# Altium PCB NURIP.PcbDoc (part 14 of 14) (continued)
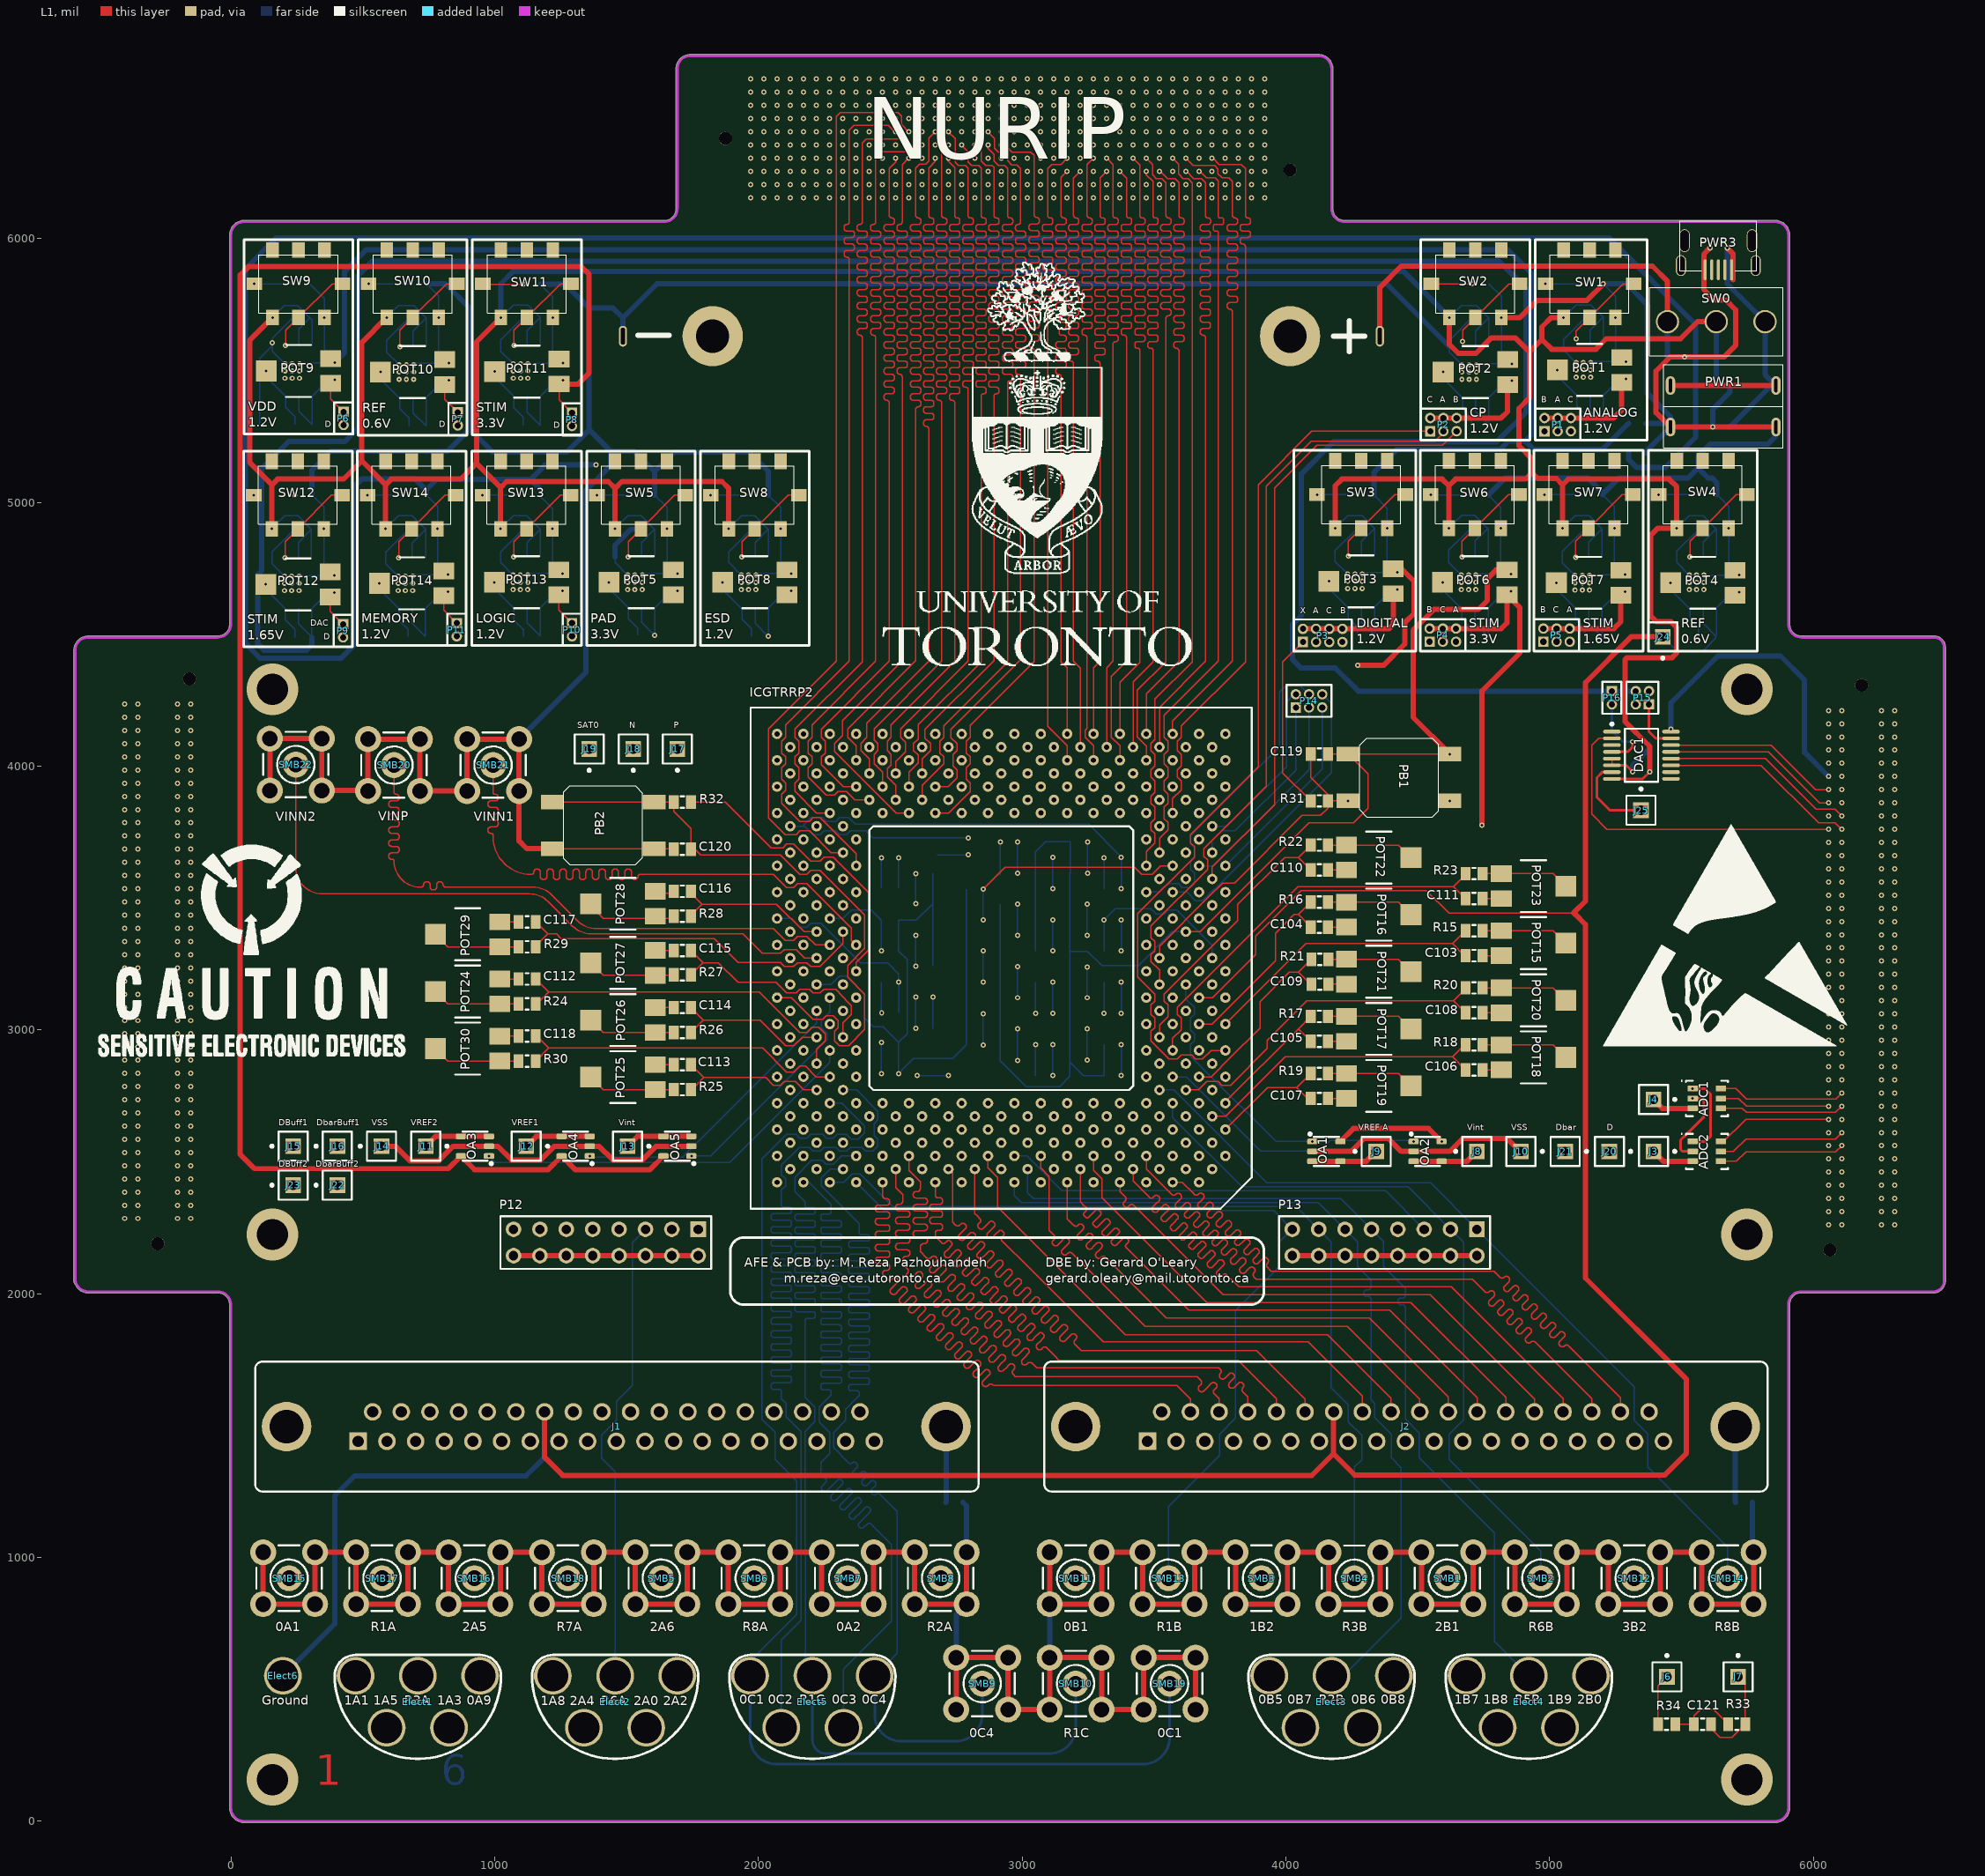
[diagram p0: L1 view]
## Nets (pads, with @x,y where several pads share a name; then routed paths per layer and width w, separated by ;. In a path a pad name is that pad's centre, name@x,y a point inside that pad or via, vN(x,y) a via of type N, cw(c..) or ccw(c..) an arc to the next point about the centre after c; other vN are vias at no path point) (continued)
  L6 w20: R12.1@307.09,5027.56 307.09,5122.05 379.92,5194.88 740.16,5194.88 ; SMB15.2@318.9,1019.68 SMB15.2@324.49,1019.68 ; 742.13,5192.91 740.16,5194.88 ; R10.1@742.13,5828.74 812.99,5828.74 905.51,5736.22 905.51,5277.56 ; SMB21.2@1092.52,4102.36 1346.46,4356.3 1346.46,5045.28 1438.98,5137.8 1438.98,5194.88 ; R11.1@1173.23,5826.77 1267.72,5826.77 1358.27,5736.22 ; LDO5.5@1456.5,4793.31 1456.5,4838.39 1515.75,4897.64 C17.2@1541.34,4897.64 ; BAT1.2@1486.22,5629.92 1486.22,5698.82 ; R5.1@1606.3,5027.56 1606.3,5116.14 ; R8.1@2037.4,5027.56 2037.4,5118.11 1964.57,5190.94 1681.1,5190.94 1606.3,5116.14 ; SMB9.2@2750,620.08 2750,783.46 SMB8.2@2789.37,822.83 ; R36.2@2775.59,1208.66 2789.37,1194.88 SMB8.2@2789.37,1019.68 ; SMB10.2@3104.33,620.08 SMB11.2@3104.33,822.83 ; LDO2.5@4619.88,5590.55 4381.69,5828.74 1616.14,5828.74 1486.22,5698.82 ; R6.1@4767.72,5027.56 4831.69,5091.54 5146.39,5091.54 5200.79,5037.14 R7.1@5200.79,5029.53 5263.78,5092.52 5525.59,5092.52 5562.99,5129.92 ; v1(5202.76,5828.74) 5291.34,5828.74 5370.08,5750 5370.08,5413.39 5458.27,5325.2 PWR1.2@5458.27,5285.43 ; v1(5314.96,3978.35) 5314.96,4001.97 5379.92,4066.93 ; FB1.1@5364.17,5187.01 5364.17,5191.34 PWR1.2@5458.27,5285.43 ; FB2.1@5364.17,5299.21 5444.49,5299.21 PWR1.2@5458.27,5285.43 ; v1(5618.11,5285.43) 5618.11,5352.36 5683.07,5417.32 C4.2@5683.07,5442.91 ; R4.1@5633.86,5029.53 5633.86,5074.8 5616.14,5092.52 5600.39,5092.52 5562.99,5129.92 ; R35.2@5769.68,1208.66 5769.68,1023.62 SMB14.2@5773.62,1019.68 ; PWR1.2@5858.27,5285.43 5858.27,5251.97 5826.77,5220.47 5608.27,5220.47 5562.99,5175.2 5562.99,5129.92 ; 740.16,5194.88 822.83,5194.88 905.51,5277.56 ; 905.51,5277.56 992.13,5190.94 1273.62,5190.94 1358.27,5275.59 ; 1358.27,5275.59 1358.27,5736.22 ; 1358.27,5275.59 1438.98,5194.88 ; 1358.27,5736.22 1448.82,5736.22 1486.22,5698.82 ; 1438.98,5194.88 1527.56,5194.88 1606.3,5116.14
  other v2: 202.76,4665.35 230.32,4665.35 257.87,4665.35 5096.46,4667.32 5124.02,4667.32 5151.57,4667.32 1503.94,4669.29 1531.5,4669.29 1559.06,4669.29 1935.04,4669.29 1962.6,4669.29 1990.16,4669.29 4665.35,4669.29 4692.91,4669.29 4720.47,4669.29 5529.72,4669.29 5557.28,4669.29 5584.84,4669.29 202.76,4692.91 230.32,4692.91 257.87,4692.91 5096.46,4694.88 5124.02,4694.88 5151.57,4694.88 1503.94,4696.85 1531.5,4696.85 1559.06,4696.85 1935.04,4696.85 1962.6,4696.85 1990.16,4696.85 4665.35,4696.85 4692.91,4696.85 4720.47,4696.85 5529.72,4696.85 5557.28,4696.85 5584.84,4696.85 230.32,4720.47 5124.02,4722.44 1531.5,4724.41 1962.6,4724.41 4692.91,4724.41 5557.28,4724.41 637.8,5466.54 665.35,5466.54 692.91,5466.54 4667.32,5466.54 4694.88,5466.54 4722.44,5466.54 1070.67,5470.47 1098.23,5470.47 1125.79,5470.47 5100.39,5474.41 5127.95,5474.41 5155.51,5474.41 637.8,5494.09 665.35,5494.09 692.91,5494.09 4667.32,5494.09 4694.88,5494.09 4722.44,5494.09 1070.67,5498.03 1098.23,5498.03 1125.79,5498.03 5100.39,5501.97 5127.95,5501.97 5155.51,5501.97 665.35,5521.65 4694.88,5521.65 1098.23,5525.59 5127.95,5529.53
pads on no net: BAT1. DAC1.1 DAC1.3 DAC1.9 DAC1.10 FMC1. FMC1.A1 FMC1.A2 FMC1.A3 FMC1.A4 FMC1.A5 FMC1.A6 FMC1.A7 FMC1.A8 FMC1.A9 FMC1.A10 FMC1.A11 FMC1.A12 FMC1.A13 FMC1.A14 FMC1.A15 FMC1.A16 FMC1.A17 FMC1.A18 FMC1.A19 FMC1.A20 FMC1.A21 FMC1.A22 FMC1.A23 FMC1.A24 FMC1.A25 FMC1.A26 FMC1.A27 FMC1.A28 FMC1.A29 FMC1.A30 FMC1.A31 FMC1.A32 FMC1.A33 FMC1.A34 FMC1.A35 FMC1.A36 FMC1.A37 FMC1.A38 FMC1.A39 FMC1.A40 FMC1.B1 FMC1.B2 FMC1.B3 FMC1.B4 FMC1.B5 FMC1.B6 FMC1.B7 FMC1.B8 FMC1.B9 FMC1.B10 FMC1.B11 FMC1.B12 FMC1.B13 FMC1.B14 FMC1.B15 FMC1.B16 FMC1.B17 FMC1.B18 FMC1.B19 FMC1.B20 FMC1.B21 FMC1.B22 FMC1.B23 FMC1.B24 FMC1.B25 FMC1.B26 FMC1.B27 FMC1.B28 FMC1.B29 FMC1.B30 FMC1.B31 FMC1.B32 FMC1.B33 FMC1.B34 FMC1.B35 FMC1.B36 FMC1.B37 FMC1.B38 FMC1.B39 FMC1.B40 FMC1.C2 FMC1.C3 FMC1.C4 FMC1.C5 FMC1.C6 FMC1.C7 FMC1.C8 FMC1.C9 FMC1.C16 FMC1.C17 FMC1.C25 FMC1.C29 FMC1.C30 FMC1.C31 FMC1.C32 FMC1.C33 FMC1.C34 FMC1.C35 FMC1.C36 FMC1.C37 FMC1.C38 FMC1.C39 FMC1.C40 FMC1.D1 FMC1.D2 FMC1.D3 FMC1.D4 FMC1.D5 FMC1.D6 FMC1.D16 FMC1.D25 FMC1.D28 FMC1.D29 FMC1.D30 FMC1.D31 FMC1.D32 FMC1.D33 FMC1.D34 FMC1.D35 FMC1.D36 FMC1.D37 FMC1.D38 FMC1.D39 FMC1.D40 FMC1.E20 FMC1.E21 FMC1.E22 FMC1.E23 FMC1.E24 FMC1.E25 FMC1.E26 FMC1.E27 FMC1.E28 FMC1.E29 FMC1.E30 FMC1.E31 FMC1.E32 FMC1.E33 FMC1.E34 FMC1.E35 FMC1.E36 FMC1.E37 FMC1.E38 FMC1.E39 FMC1.E40 FMC1.F1 FMC1.F2 FMC1.F3 FMC1.F12 FMC1.F21 FMC1.F22 FMC1.F23 FMC1.F24 FMC1.F25 FMC1.F26 FMC1.F27 FMC1.F28 FMC1.F29 FMC1.F30 FMC1.F31 FMC1.F32 FMC1.F33 FMC1.F34 FMC1.F35 FMC1.F36 FMC1.F37 FMC1.F38 FMC1.F39 FMC1.F40 FMC1.G1 FMC1.G2 FMC1.G3 FMC1.G4 FMC1.G14 FMC1.G20 FMC1.G23 FMC1.G26 FMC1.G29 FMC1.G35 FMC1.G37 FMC1.G38 FMC1.G39 FMC1.G40 FMC1.H1 FMC1.H2 FMC1.H3 FMC1.H4 FMC1.H5 FMC1.H15 FMC1.H27 FMC1.H37 FMC1.H38 FMC1.H39 FMC1.H40 FMC1.J1 FMC1.J2 FMC1.J3 FMC1.J4 FMC1.J5 FMC1.J23 FMC1.J24 FMC1.J25 FMC1.J26 FMC1.J27 FMC1.J28 FMC1.J29 FMC1.J30 FMC1.J31 FMC1.J32 FMC1.J33 FMC1.J34 FMC1.J35 FMC1.J36 FMC1.J37 FMC1.J38 FMC1.J39 FMC1.J40 FMC1.K1 FMC1.K2 FMC1.K3 FMC1.K4 FMC1.K5 FMC1.K25 FMC1.K26 FMC1.K27 FMC1.K28 FMC1.K29 FMC1.K30 FMC1.K31 FMC1.K32 FMC1.K33 FMC1.K34 FMC1.K35 FMC1.K36 FMC1.K37 FMC1.K38 FMC1.K39 FMC1.K40 FMC2. FMC2.C1 FMC2.C2 FMC2.C3 FMC2.C4 FMC2.C5 FMC2.C6 FMC2.C7 FMC2.C8 FMC2.C9 FMC2.C10 FMC2.C11 FMC2.C12 FMC2.C13 FMC2.C14 FMC2.C15 FMC2.C16 FMC2.C17 FMC2.C18 FMC2.C19 FMC2.C20 FMC2.C21 FMC2.C22 FMC2.C23 FMC2.C24 FMC2.C25 FMC2.C26 FMC2.C27 FMC2.C28 FMC2.C29 FMC2.C30 FMC2.C31 FMC2.C32 FMC2.C33 FMC2.C34 FMC2.C35 FMC2.C36 FMC2.C37 FMC2.C38 FMC2.C39 FMC2.C40 FMC2.D1 FMC2.D2 FMC2.D3 FMC2.D4 FMC2.D5 FMC2.D6 FMC2.D7 FMC2.D8 FMC2.D9 FMC2.D10 FMC2.D11 FMC2.D12 FMC2.D13 FMC2.D14 FMC2.D15 FMC2.D16 FMC2.D17 FMC2.D18 FMC2.D19 FMC2.D20 FMC2.D21 FMC2.D22 FMC2.D23 FMC2.D24 FMC2.D25 FMC2.D26 FMC2.D27 FMC2.D28 FMC2.D29 FMC2.D30 FMC2.D31 FMC2.D32 FMC2.D33 FMC2.D34 FMC2.D35 FMC2.D36 FMC2.D37 FMC2.D38 FMC2.D39 FMC2.D40 FMC2.G1 FMC2.G2 FMC2.G3 FMC2.G4 FMC2.G5 FMC2.G6 FMC2.G7 FMC2.G36 FMC2.G37 FMC2.G38 FMC2.G39 FMC2.G40 FMC2.H1 FMC2.H2 FMC2.H3 FMC2.H4 FMC2.H5 FMC2.H34 FMC2.H35 FMC2.H36 FMC2.H37 FMC2.H38 FMC2.H39 FMC2.H40 FMC3. FMC3.C1 FMC3.C2 FMC3.C3 FMC3.C4 FMC3.C5 FMC3.C6 FMC3.C7 FMC3.C8 FMC3.C9 FMC3.C10 FMC3.C11 FMC3.C12 FMC3.C13 FMC3.C14 FMC3.C15 FMC3.C16 FMC3.C17 FMC3.C18 FMC3.C19 FMC3.C20 FMC3.C21 FMC3.C22 FMC3.C23 FMC3.C24 FMC3.C25 FMC3.C26 FMC3.C27 FMC3.C28 FMC3.C29 FMC3.C30 FMC3.C31 FMC3.C32 FMC3.C33 FMC3.C34 FMC3.C35 FMC3.C36 FMC3.C37 FMC3.C38 FMC3.C39 FMC3.C40 FMC3.D1 FMC3.D2 FMC3.D3 FMC3.D4 FMC3.D5 FMC3.D6 FMC3.D7 FMC3.D8 FMC3.D9 FMC3.D10 FMC3.D11 FMC3.D12 FMC3.D13 FMC3.D14 FMC3.D15 FMC3.D16 FMC3.D17 FMC3.D18 FMC3.D19 FMC3.D20 FMC3.D21 FMC3.D22 FMC3.D23 FMC3.D24 FMC3.D25 FMC3.D26 FMC3.D27 FMC3.D28 FMC3.D29 FMC3.D30 FMC3.D31 FMC3.D32 FMC3.D33 FMC3.D34 FMC3.D35 FMC3.D36 FMC3.D37 FMC3.D38 FMC3.D39 FMC3.D40 FMC3.G1 FMC3.G2 FMC3.G3 FMC3.G4 FMC3.G5 FMC3.G6 FMC3.G7 FMC3.G8 FMC3.G9 FMC3.G10 FMC3.G29 FMC3.G31 FMC3.G33 FMC3.G34 FMC3.G35 FMC3.G36 FMC3.G37 FMC3.G38 FMC3.G39 FMC3.G40 FMC3.H1 FMC3.H2 FMC3.H3 FMC3.H4 FMC3.H5 FMC3.H6 FMC3.H7 FMC3.H8 FMC3.H31 FMC3.H32 FMC3.H33 FMC3.H34 FMC3.H35 FMC3.H36 FMC3.H37 FMC3.H38 FMC3.H39 FMC3.H40 ICGTRRP2.A35 ICGTRRP2.AG7 ICGTRRP2.AG29 ICGTRRP2.AH6 ICGTRRP2.AH30 ICGTRRP2.AJ3 ICGTRRP2.AJ7 ICGTRRP2.AJ9 ICGTRRP2.AJ27 ICGTRRP2.AJ29 ICGTRRP2.AJ33 ICGTRRP2.AK2 ICGTRRP2.AK4 ICGTRRP2.AK6 ICGTRRP2.AK30 ICGTRRP2.AK32 ICGTRRP2.AK34 ICGTRRP2.AL3 ICGTRRP2.AL5 ICGTRRP2.AL31 ICGTRRP2.AL33 ICGTRRP2.AM2 ICGTRRP2.AM4 ICGTRRP2.AM6 ICGTRRP2.AM30 ICGTRRP2.AM32 ICGTRRP2.AM34 ICGTRRP2.AN1 ICGTRRP2.AN3 ICGTRRP2.AN5 ICGTRRP2.AN31 ICGTRRP2.AN33 ICGTRRP2.AN35 ICGTRRP2.AP2 ICGTRRP2.AP4 ICGTRRP2.AP32 ICGTRRP2.AP34 ICGTRRP2.AR1 ICGTRRP2.AR3 ICGTRRP2.AR33 ICGTRRP2.AR35 ICGTRRP2.B2 ICGTRRP2.B4 ICGTRRP2.B32 ICGTRRP2.B34 ICGTRRP2.C1 ICGTRRP2.C3 ICGTRRP2.C5 ICGTRRP2.C31 ICGTRRP2.C33 ICGTRRP2.C35 ICGTRRP2.D2 ICGTRRP2.D4 ICGTRRP2.D6 ICGTRRP2.D30 ICGTRRP2.D32 ICGTRRP2.D34 ICGTRRP2.E3 ICGTRRP2.E5 ICGTRRP2.E31 ICGTRRP2.E33 ICGTRRP2.F4 ICGTRRP2.F6 ICGTRRP2.F30 ICGTRRP2.F32 ICGTRRP2.G3 ICGTRRP2.G7 ICGTRRP2.G9 ICGTRRP2.G27 ICGTRRP2.G29 ICGTRRP2.G33 ICGTRRP2.J7 ICGTRRP2.J29 J1. J1.1 J1.20 J1.37 J2. J2.1 J2.20 J2.37 LDO1.4 LDO2.4 LDO3.4 LDO4.4 LDO5.4 LDO6.4 LDO7.4 LDO8.4 LDO9.4 LDO10.4 LDO11.4 LDO12.4 LDO13.4 LDO14.4 PWR3. PWR3.2 PWR3.3 PWR3.4 SW1.4 SW1.5 SW1.6 SW2.4 SW2.5 SW2.6 SW3.4 SW3.5 SW3.6 SW4.4 SW4.5 SW4.6 SW5.4 SW5.5 SW5.6 SW6.4 SW6.5 SW6.6 SW7.4 SW7.5 SW7.6 SW8.4 SW8.5 SW8.6 SW9.4 SW9.5 SW9.6 SW10.4 SW10.5 SW10.6 SW11.4 SW11.5 SW11.6 SW12.4 SW12.5 SW12.6 SW13.4 SW13.5 SW13.6 SW14.4 SW14.5 SW14.6
copper on no net:
  other v1: 6058.07,2260.87 6108.07,2260.87 6258.07,2260.87 6308.07,2260.87 -402.56,2285.2 -352.56,2285.2 -202.56,2285.2 -152.56,2285.2 6058.07,2310.87 6108.07,2310.87 6258.07,2310.87 6308.07,2310.87 -402.56,2335.2 -352.56,2335.2 -202.56,2335.2 -152.56,2335.2 6058.07,2360.87 6108.07,2360.87 6258.07,2360.87 6308.07,2360.87 -402.56,2385.2 -352.56,2385.2 -202.56,2385.2 -152.56,2385.2 6058.07,2410.87 6108.07,2410.87 6258.07,2410.87 6308.07,2410.87 -402.56,2435.2 -352.56,2435.2 -202.56,2435.2 -152.56,2435.2 6058.07,2460.87 6108.07,2460.87 6258.07,2460.87 6308.07,2460.87 -402.56,2485.2 -352.56,2485.2 -202.56,2485.2 -152.56,2485.2 6058.07,2510.87 6258.07,2510.87 6308.07,2510.87 -402.56,2535.2 -352.56,2535.2 -202.56,2535.2 -152.56,2535.2 6058.07,2560.87 6258.07,2560.87 6308.07,2560.87 -402.56,2585.2 -352.56,2585.2 -202.56,2585.2 -152.56,2585.2 6258.07,2610.87 6308.07,2610.87 -402.56,2635.2 -352.56,2635.2 -202.56,2635.2 -152.56,2635.2 6258.07,2660.87 6308.07,2660.87 -402.56,2685.2 -352.56,2685.2 -202.56,2685.2 6258.07,2710.87 6308.07,2710.87 -402.56,2735.2 -352.56,2735.2 -202.56,2735.2 6258.07,2760.87 6308.07,2760.87 -402.56,2785.2 -352.56,2785.2 6258.07,2810.87 6308.07,2810.87 -402.56,2835.2 -352.56,2835.2 6258.07,2860.87 6308.07,2860.87 -402.56,2885.2 -352.56,2885.2 6258.07,2910.87 6308.07,2910.87 -402.56,2935.2 -352.56,2935.2 6258.07,2960.87 6308.07,2960.87 -402.56,2985.2 -352.56,2985.2 6258.07,3010.87 6308.07,3010.87 -402.56,3035.2 -352.56,3035.2 6258.07,3060.87 6308.07,3060.87 -402.56,3085.2 -352.56,3085.2 6258.07,3110.87 6308.07,3110.87 -402.56,3135.2 -352.56,3135.2 6258.07,3160.87 6308.07,3160.87 -402.56,3185.2 -352.56,3185.2 6258.07,3210.87 6308.07,3210.87 -402.56,3235.2 -352.56,3235.2 6258.07,3260.87 6308.07,3260.87 -402.56,3285.2 -352.56,3285.2 6258.07,3310.87 6308.07,3310.87 -402.56,3335.2 -352.56,3335.2 6258.07,3360.87 6308.07,3360.87 -402.56,3385.2 -352.56,3385.2 6258.07,3410.87 6308.07,3410.87 -402.56,3435.2 -352.56,3435.2 6258.07,3460.87 6308.07,3460.87 -402.56,3485.2 -352.56,3485.2 6258.07,3510.87 6308.07,3510.87 -402.56,3535.2 -352.56,3535.2 6258.07,3560.87 6308.07,3560.87 -402.56,3585.2 -352.56,3585.2 6258.07,3610.87 6308.07,3610.87 -402.56,3635.2 -352.56,3635.2 6258.07,3660.87 6308.07,3660.87 -402.56,3685.2 -352.56,3685.2 -202.56,3685.2 6258.07,3710.87 6308.07,3710.87 -402.56,3735.2 -352.56,3735.2 6258.07,3760.87 6308.07,3760.87 -402.56,3785.2 -352.56,3785.2 -202.56,3785.2 -152.56,3785.2 6258.07,3810.87 6308.07,3810.87 -402.56,3835.2 -352.56,3835.2 -152.56,3835.2 6258.07,3860.87 6308.07,3860.87 -402.56,3885.2 -352.56,3885.2 -202.56,3885.2 -152.56,3885.2 6108.07,3910.87 6258.07,3910.87 6308.07,3910.87 -402.56,3935.2 -352.56,3935.2 -202.56,3935.2 -152.56,3935.2 6108.07,3960.87 6258.07,3960.87 6308.07,3960.87 -402.56,3985.2 -352.56,3985.2 -202.56,3985.2 -152.56,3985.2 6058.07,4010.87 6108.07,4010.87 6258.07,4010.87 6308.07,4010.87 -402.56,4035.2 -352.56,4035.2 -202.56,4035.2 -152.56,4035.2 6058.07,4060.87 6108.07,4060.87 6258.07,4060.87 6308.07,4060.87 -402.56,4085.2 -352.56,4085.2 -202.56,4085.2 -152.56,4085.2 6058.07,4110.87 6108.07,4110.87 6258.07,4110.87 6308.07,4110.87 -402.56,4135.2 -352.56,4135.2 -202.56,4135.2 -152.56,4135.2 6058.07,4160.87 6108.07,4160.87 6258.07,4160.87 6308.07,4160.87 -402.56,4185.2 -352.56,4185.2 -202.56,4185.2 -152.56,4185.2 6058.07,4210.87 6108.07,4210.87 6258.07,4210.87 6308.07,4210.87 -402.56,4235.2 -352.56,4235.2 -202.56,4235.2 -152.56,4235.2 1970.24,6154.92 2020.24,6154.92 2070.24,6154.92 2120.24,6154.92 2170.24,6154.92 3170.24,6154.92 3220.24,6154.92 3270.24,6154.92 3320.24,6154.92 3370.24,6154.92 3420.24,6154.92 3470.24,6154.92 3520.24,6154.92 3570.24,6154.92 3620.24,6154.92 3670.24,6154.92 3720.24,6154.92 3770.24,6154.92 3820.24,6154.92 3870.24,6154.92 3920.24,6154.92 1970.24,6204.92 2020.24,6204.92 2070.24,6204.92 2120.24,6204.92 2170.24,6204.92 3070.24,6204.92 3120.24,6204.92 3170.24,6204.92 3220.24,6204.92 3270.24,6204.92 3320.24,6204.92 3370.24,6204.92 3420.24,6204.92 3470.24,6204.92 3520.24,6204.92 3570.24,6204.92 3620.24,6204.92 3670.24,6204.92 3720.24,6204.92 3770.24,6204.92 3820.24,6204.92 3870.24,6204.92 3920.24,6204.92 1970.24,6254.92 2020.24,6254.92 2070.24,6254.92 2120.24,6254.92 2170.24,6254.92 2670.24,6254.92 3270.24,6254.92 3770.24,6254.92 3820.24,6254.92 3870.24,6254.92 3920.24,6254.92 1970.24,6304.92 2020.24,6304.92 2070.24,6304.92 2120.24,6304.92 2620.24,6304.92 2920.24,6304.92 3070.24,6304.92 3220.24,6304.92 3370.24,6304.92 3670.24,6304.92 3770.24,6304.92 3820.24,6304.92 3870.24,6304.92 3920.24,6304.92 1970.24,6354.92 2020.24,6354.92 2070.24,6354.92 2520.24,6354.92 2970.24,6354.92 3020.24,6354.92 3070.24,6354.92 3120.24,6354.92 3170.24,6354.92 3220.24,6354.92 3270.24,6354.92 3320.24,6354.92 3370.24,6354.92 3420.24,6354.92 3470.24,6354.92 3520.24,6354.92 3570.24,6354.92 3620.24,6354.92 3670.24,6354.92 3720.24,6354.92 3770.24,6354.92 3820.24,6354.92 3870.24,6354.92 3920.24,6354.92 2920.24,6404.92 2970.24,6404.92 3020.24,6404.92 3070.24,6404.92 3120.24,6404.92 3170.24,6404.92 3220.24,6404.92 3270.24,6404.92 3320.24,6404.92 3370.24,6404.92 3420.24,6404.92 3470.24,6404.92 3520.24,6404.92 3570.24,6404.92 3620.24,6404.92 3670.24,6404.92 3720.24,6404.92 3770.24,6404.92 3820.24,6404.92 3870.24,6404.92 3920.24,6404.92 1970.24,6454.92 2020.24,6454.92 2070.24,6454.92 2120.24,6454.92 2170.24,6454.92 2220.24,6454.92 2720.24,6454.92 3170.24,6454.92 3320.24,6454.92 3370.24,6454.92 3420.24,6454.92 3470.24,6454.92 3520.24,6454.92 3570.24,6454.92 3620.24,6454.92 3670.24,6454.92 3720.24,6454.92 3770.24,6454.92 3820.24,6454.92 3870.24,6454.92 3920.24,6454.92 2020.24,6504.92 2070.24,6504.92 2120.24,6504.92 2170.24,6504.92 2220.24,6504.92 2270.24,6504.92 2320.24,6504.92 2370.24,6504.92 2720.24,6504.92 2770.24,6504.92 3170.24,6504.92 3370.24,6504.92 3420.24,6504.92 3470.24,6504.92 3520.24,6504.92 3570.24,6504.92 3620.24,6504.92 3670.24,6504.92 3720.24,6504.92 3770.24,6504.92 3820.24,6504.92 3870.24,6504.92 3920.24,6504.92 1970.24,6554.92 2020.24,6554.92 2070.24,6554.92 2120.24,6554.92 2170.24,6554.92 2220.24,6554.92 2270.24,6554.92 2320.24,6554.92 2370.24,6554.92 2420.24,6554.92 2470.24,6554.92 2520.24,6554.92 2570.24,6554.92 2620.24,6554.92 2670.24,6554.92 2720.24,6554.92 2770.24,6554.92 2820.24,6554.92 2870.24,6554.92 2920.24,6554.92 2970.24,6554.92 3020.24,6554.92 3070.24,6554.92 3120.24,6554.92 3170.24,6554.92 3220.24,6554.92 3270.24,6554.92 3320.24,6554.92 3370.24,6554.92 3420.24,6554.92 3470.24,6554.92 3520.24,6554.92 3570.24,6554.92 3620.24,6554.92 3670.24,6554.92 3720.24,6554.92 3770.24,6554.92 3820.24,6554.92 3870.24,6554.92 3920.24,6554.92 1970.24,6604.92 2020.24,6604.92 2070.24,6604.92 2120.24,6604.92 2170.24,6604.92 2220.24,6604.92 2270.24,6604.92 2320.24,6604.92 2370.24,6604.92 2420.24,6604.92 2470.24,6604.92 2520.24,6604.92 2570.24,6604.92 2620.24,6604.92 2670.24,6604.92 2720.24,6604.92 2770.24,6604.92 2820.24,6604.92 2870.24,6604.92 2920.24,6604.92 2970.24,6604.92 3020.24,6604.92 3070.24,6604.92 3120.24,6604.92 3170.24,6604.92 3220.24,6604.92 3270.24,6604.92 3320.24,6604.92 3370.24,6604.92 3420.24,6604.92 3470.24,6604.92 3520.24,6604.92 3570.24,6604.92 3620.24,6604.92 3670.24,6604.92 3720.24,6604.92 3770.24,6604.92 3820.24,6604.92 3870.24,6604.92 3920.24,6604.92
  other v3: 157.48,157.48 5748.03,157.48 157.48,2224.41 5748.03,2224.41 157.48,4291.34 5748.03,4291.34

## Polygon pours and split planes (outlines as drawn)
VSS on L3 "VSS_L03_P000" (solid, remove dead copper, pour order 0): 1092.52,4102.36 1090.55,4104.33 147.64,4104.33 147.64,3759.84 ccw(c687.01,3759.84) 687.01,3220.47 2421.26,3220.47 2421.26,3675.2 1220.47,3675.2 cw(c1220.47,3803.15) 1092.52,3803.15
DVSS1 on L6 "DVSS1_L06_P004" (solid, remove dead copper, pour order 4): 5.91,6679.13 5910.53,6679.13 5910.53,3724.41 5.91,3724.41
DVSS2 on L6 "DVSS2_L06_P008" (solid, remove dead copper, pour order 8): 6515.75,2017.71 5883.86,2017.71 5883.86,2822.2 21.65,2822.2 21.65,2017.72 -593.45,2017.72 -593.45,4492.65 -593.45,6068.71 2980.31,6068.71 2980.31,3724.41 2980.32,6033.47 6515.75,6033.46

## Keep-outs
Keep-Out Layer:
  lines w10: -590.55,2046.85 -590.55,4433.07 ; -590.55,2066.93 -590.55,2057.87 ccw(c-540.55,2057.87) -540.55,2007.87 -50,2007.87 cw(c-50,1957.87) 0,1957.87 0,1946.85 0,50 ; -590.55,4438.19 cw(c-540.55,4438.19) -540.55,4488.19 -50,4488.19 ccw(c-50,4538.19) 0,4538.19 0,4548.43 0,4610.16 0,5285.12 0,6013.7 cw(c50,6013.7) 50,6063.7 1642.91,6063.7 ccw(c1642.91,6113.7) 1692.91,6113.7 1692.91,6643.62 cw(c1742.2,6643.62) 1742.2,6692.91 1742.91,6692.91 4123.23,6692.91 4123.94,6692.91 cw(c4123.94,6643.62) 4173.23,6643.62 4173.23,6113.7 ccw(c4223.23,6113.7) 4223.23,6063.7 5855.51,6063.7 cw(c5855.51,6013.7) 5905.51,6013.7 5905.51,5988.7 5905.51,4550.12 5905.51,4538.19 ccw(c5955.51,4538.19) 5955.51,4488.19 6462.6,4488.19 ; 0,51.3 0,50 ; 5954.21,2007.87 ccw(c5954.21,1959.17) 5905.51,1959.17 5905.51,70.71 5905.51,51.3 5905.51,50 cw(c5855.51,50) 5855.51,0 5850,0 50,0 cw(c50,50) 0,50 ; 5955.51,2007.87 6455.39,2007.87 ccw(c6455.39,2048.54) 6496.06,2048.54 6496.06,4450.12 ccw(c6457.99,4450.12) 6457.99,4488.19

## Other copper
L1:
  text "1" at 318.9,98.43 h196.85
L2:
  text "2" at 407.48,98.43 h196.85
L3:
  text "3" at 505.91,98.43 h196.85
L4:
  text "4" at 604.33,98.43 h196.85
L5:
  text "5" at 702.76,98.43 h196.85
L6:
  text "6" at 797.24,98.43 h196.85

## Silkscreen, mask and mechanical layers (free items; w line width, h text height)
Top Overlay:
  drawing of 12591 lines, arcs and shapes, not listed
  text "NURIP" at 2409.45,6226.38 h400
  text "C" at 4535.43,5370.08 h40
  text "A" at 4584.65,5370.08 h40
  text "B" at 4633.86,5370.08 h40
  text "B" at 4968.5,5370.08 h40
  text "A" at 5019.69,5370.08 h40
  text "C" at 5068.9,5370.08 h40
  text "D" at 356.3,5277.56 h40
  text "D" at 789.37,5277.56 h40
  text "VDD / 1.2V" at 64.96,5275.59 h60
  text "D" at 1222.44,5273.62 h40
  text "STIM / 3.3V" at 931.1,5271.65 h60
  text "REF / 0.6V" at 498.03,5269.69 h60
  text "CP / 1.2V" at 4696.85,5251.97 h60
  text "ANALOG / 1.2V" at 5127.95,5251.97 h60
  text "B" at 4533.46,4572.83 h40
  text "C" at 4584.65,4572.83 h40
  text "A" at 4633.86,4572.83 h40
  text "B" at 4964.57,4572.83 h40
  text "C" at 5013.78,4572.83 h40
  text "A" at 5064.96,4572.83 h40
  text "X" at 4055.12,4570.87 h40
  text "A" at 4102.36,4570.87 h40
  text "C" at 4153.54,4570.87 h40
  text "B" at 4206.69,4570.87 h40
  text "DAC" at 301.18,4523.62 h40
  text "D" at 350.39,4472.44 h40
  text "MEMORY / 1.2V" at 494.09,4472.44 h60
  text "LOGIC / 1.2V" at 929.13,4472.44 h60
  text "PAD / 3.3V" at 1364.17,4472.44 h60
  text "ESD / 1.2V" at 1795.28,4472.44 h60
  text "STIM / 1.65V" at 62.99,4468.5 h60
  text "DIGITAL / 1.2V" at 4267.72,4452.76 h60
  text "STIM / 3.3V" at 4694.88,4452.76 h60
  text "STIM / 1.65V" at 5125.98,4452.76 h60
  text "REF / 0.6V" at 5500,4452.76 h60
  text "SAT0" at 1312.99,4135.83 h40
  text "N" at 1509.84,4135.83 h40
  text "P" at 1679.13,4135.83 h40
  text "VINP" at 559.06,3781.5 h60
  text "VINN2" at 169.29,3779.53 h60
  text "VINN1" at 921.26,3779.53 h60
  text "DBuff1" at 181.1,2629.92 h40
  text "DbarBuff1" at 324.8,2629.92 h40
  text "VSS" at 533.46,2629.92 h40
  text "VREF2" at 681.1,2629.92 h40
  text "VREF1" at 1064.96,2629.92 h40
  text "Vint" at 1470.47,2629.92 h40
  text "VREF A" at 4275.59,2610.24 h40
  text "Vint" at 4687.01,2610.24 h40
  text "VSS" at 4854.33,2610.24 h40
  text "Dbar" at 5023.62,2610.24 h40
  text "D" at 5216.54,2610.24 h40
  text "DBuff2" at 181.1,2472.44 h40
  text "DbarBuff2" at 320.87,2472.44 h40
  text "AFE & PCB by: M. Reza Pazhouhandeh /           m.reza@ece.utoronto.ca" at 1946.85,2029.53 h60
  text "DBE by: Gerard O'Leary / gerard.oleary@mail.utoronto.ca" at 3088.58,2029.53 h60
  text "0A1" at 169.29,708.66 h60
  text "R1A" at 529.53,708.66 h60
  text "2A5" at 877.95,708.66 h60
  text "R7A" at 1234.25,708.66 h60
  text "2A6" at 1588.58,708.66 h60
  text "R8A" at 1938.98,708.66 h60
  text "0A2" at 2295.28,708.66 h60
  text "R2A" at 2639.76,708.66 h60
  text "0B1" at 3157.48,708.66 h60
  text "R1B" at 3509.84,708.66 h60
  text "1B2" at 3862.2,708.66 h60
  text "R3B" at 4212.6,708.66 h60
  text "2B1" at 4564.96,708.66 h60
  text "R6B" at 4919.29,708.66 h60
  text "3B2" at 5275.59,708.66 h60
  text "R8B" at 5625.98,708.66 h60
  text "0C1" at 1927.17,433.07 h60
  text "0C2" at 2037.4,433.07 h60
  text "R1C" at 2155.51,433.07 h60
  text "0C3" at 2279.53,433.07 h60
  text "0C4" at 2391.73,433.07 h60
  text "0B5" at 3895.67,433.07 h60
  text "0B7" at 4005.91,433.07 h60
  text "R2B" at 4124.02,433.07 h60
  text "0B6" at 4248.03,433.07 h60
  text "0B8" at 4360.24,433.07 h60
  text "1B7" at 4639.76,433.07 h60
  text "1B8" at 4750,433.07 h60
  text "R5B" at 4868.11,433.07 h60
  text "1B9" at 4992.13,433.07 h60
  text "2B0" at 5104.33,433.07 h60
  text "Ground" at 118.11,429.13 h60
  text "1A1" at 429.13,429.13 h60
  text "1A5" at 539.37,429.13 h60
  text "R3A" at 657.48,429.13 h60
  text "1A3" at 781.5,429.13 h60
  text "0A9" at 893.7,429.13 h60
  text "1A8" at 1175.2,427.17 h60
  text "2A4" at 1285.43,427.17 h60
  text "R6A" at 1403.54,427.17 h60
  text "2A0" at 1527.56,427.17 h60
  text "2A2" at 1639.76,427.17 h60
  text "0C4" at 2799.21,305.12 h60
  text "R1C" at 3157.48,305.12 h60
  text "0C1" at 3513.78,305.12 h60

## Dimensions
4123.23,6692.91 to 5850,0 on Keep-Out Layer
-590.55,4433.07 to 6496.06,4450.12 on Keep-Out Layer